# Altium PCB STM32F405.PcbDoc (part 1 of 3) (continued)
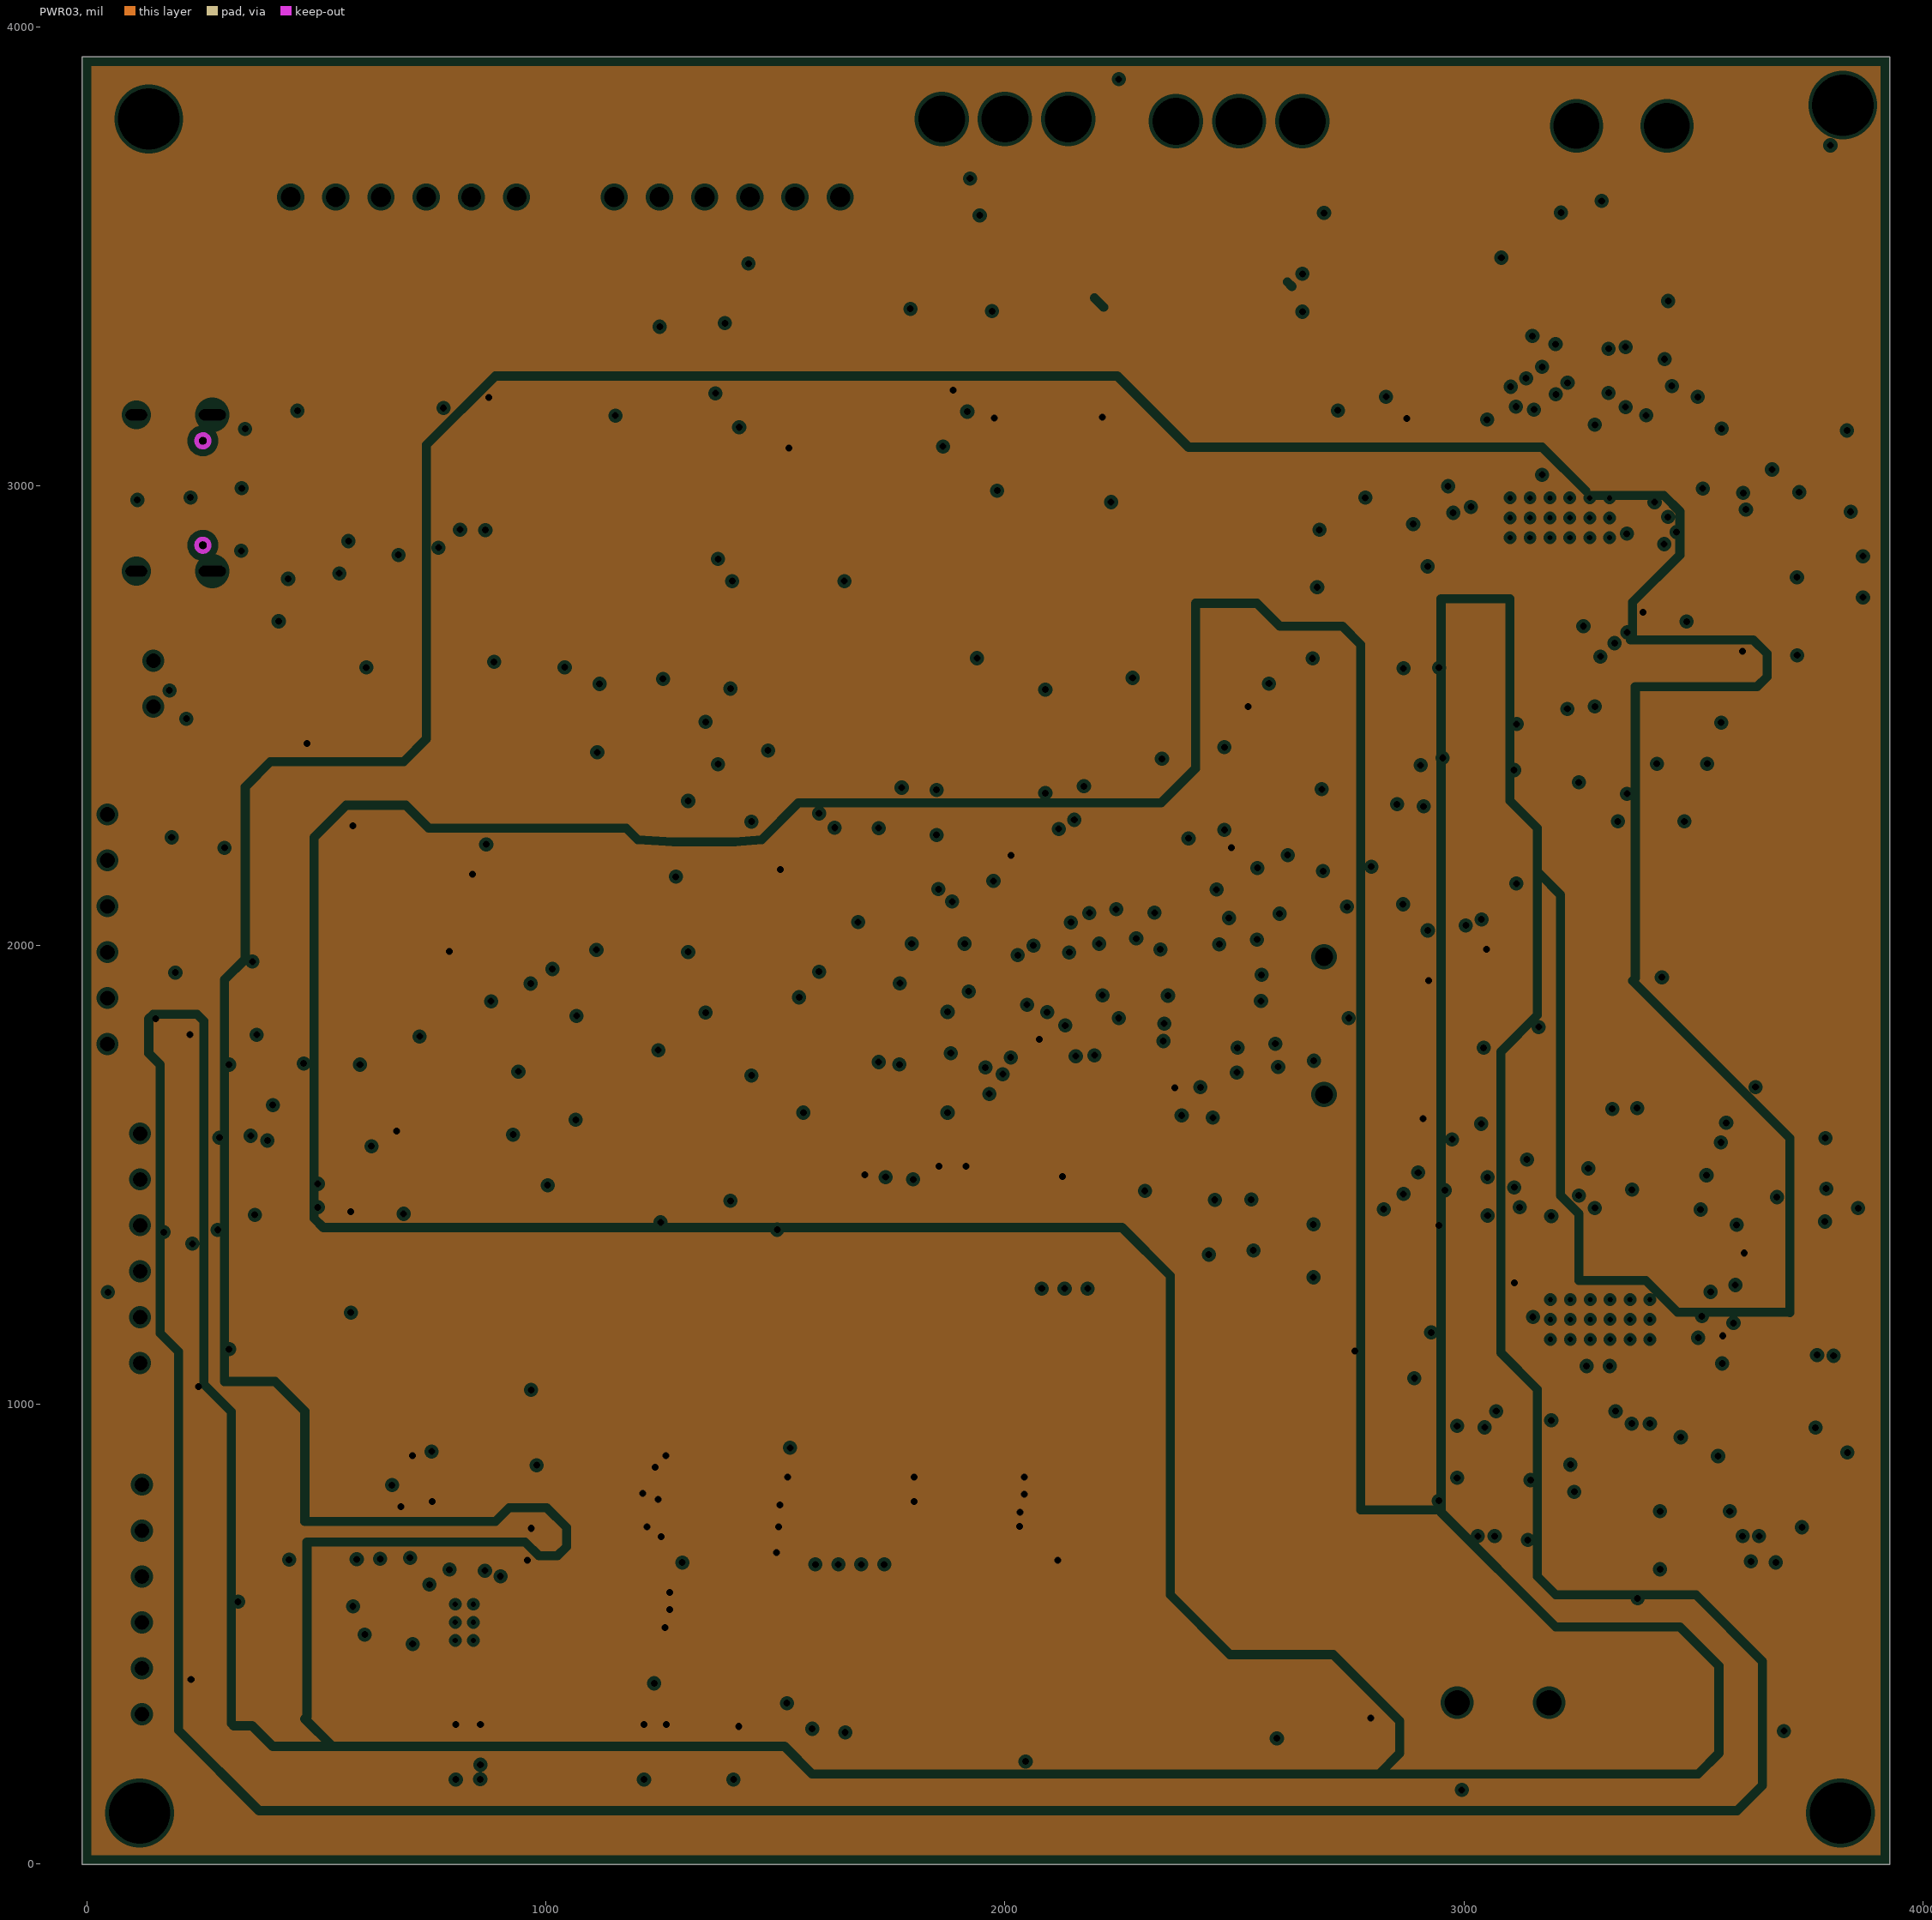
[diagram p3: PWR03, clearances drawn from the general rule]
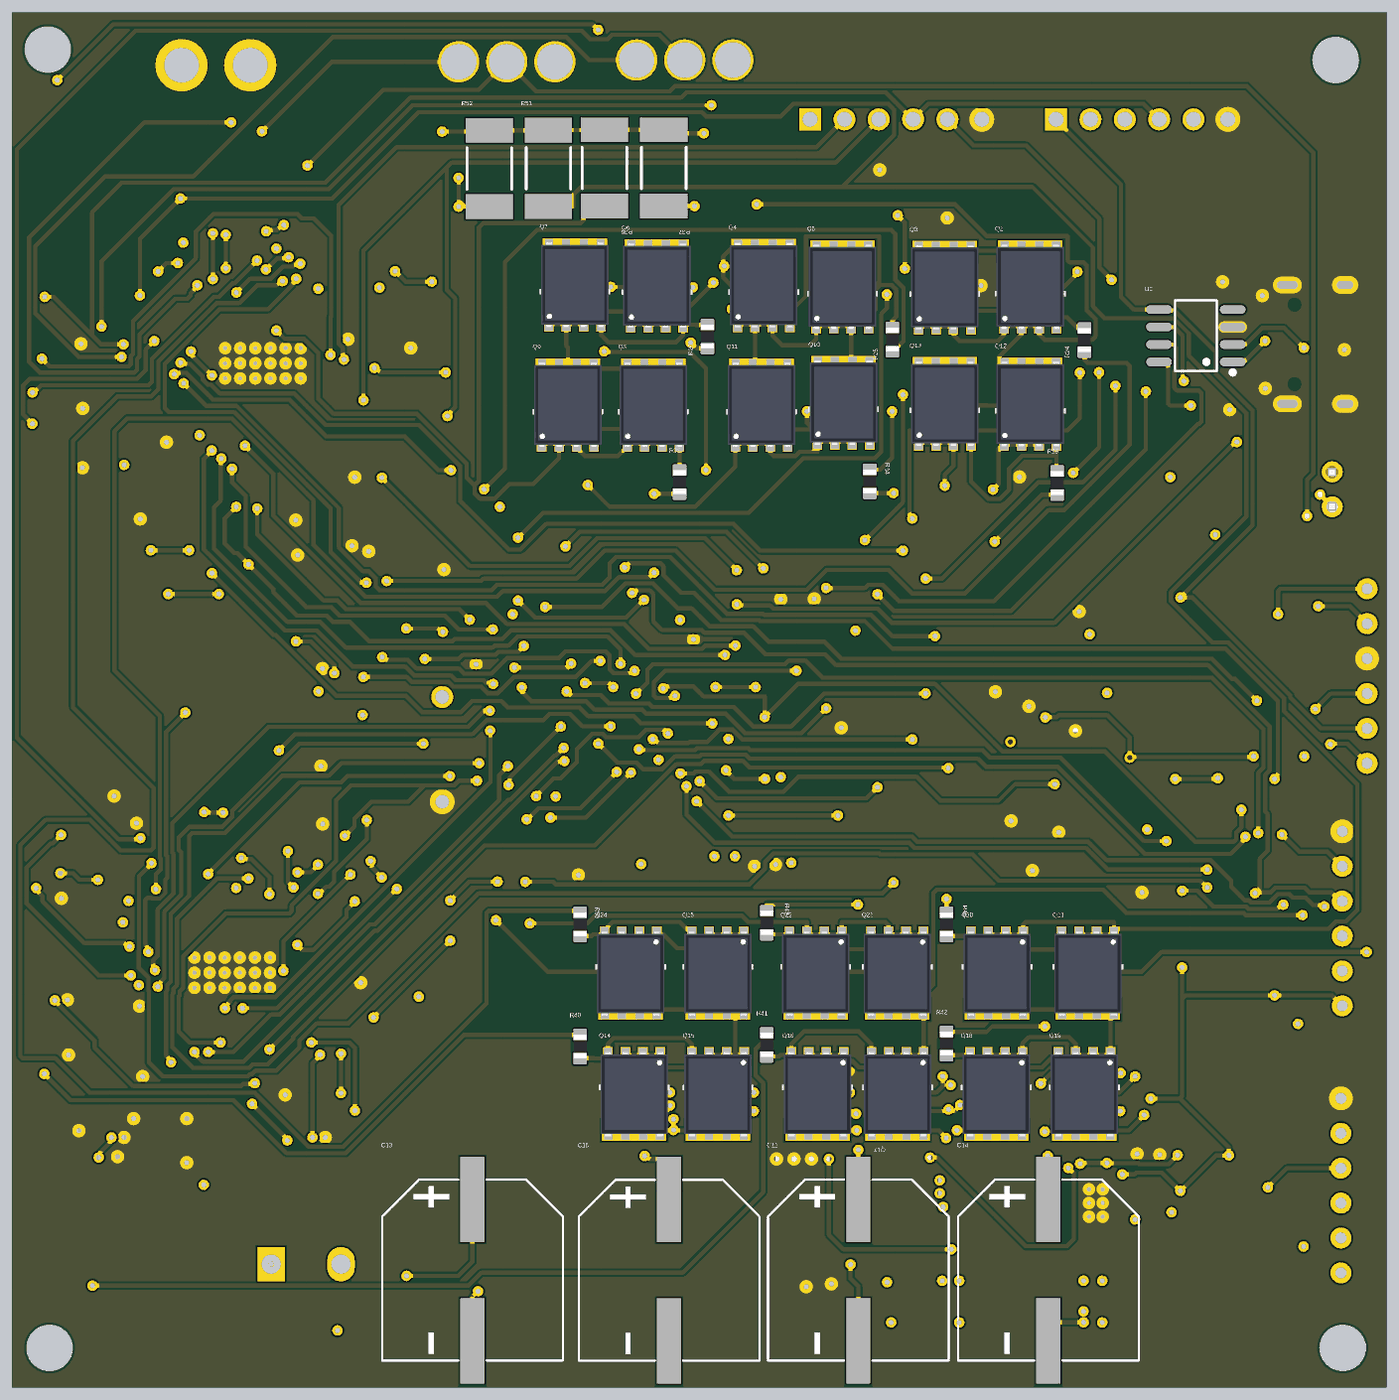
[diagram p6: 3D render of the assembled board from below, using the file's embedded part models]

## Layer stack, top to bottom
Top Solder: solder mask 0.4, Solder Resist, Dk 3.5
Top Layer: signal copper 1.4
Dielectric 2: prepreg 2.8, PP-006, Dk 4.1
GND02: plane copper 5.512, net (Multiple Nets)
Dielectric 1: dielectric 12.6, FR-4, Dk 4.8
PWR03: plane copper 5.512, net (Multiple Nets)
Dielectric 3: prepreg 2.8, PP-006, Dk 4.1
Bottom Layer: signal copper 1.4
Bottom Solder: solder mask 0.4, Solder Resist, Dk 3.5

## Board outline
-10,-2.03 -10,3934.97 3927.01,3934.97 3927.01,-2.03

## Design rules (kind name [scope] priority, off if disabled: settings)
Clearance [All] p1: gap=6 ignorepadtopadclearanceinfootprint=FALSE
HoleSize [All] p1: absolutevalues=TRUE maxlimit=200 minlimit=1 maxpercent=80.000 minpercent=20.000
HoleToHoleClearance [All] p1: gap=0 allowstackedmicrovias=TRUE
MinimumSolderMaskSliver [All] p1: minsoldermaskwidth=4
PlaneClearance [All] p1: clearance=8
PlaneConnect [All] p1: planeconnectstyle=Direct reliefexpansion=20 reliefentries=4 reliefconductorwidth=10 reliefairgap=10
PolygonConnect [All] p1: connectstyle=Direct reliefconductorwidth=10 reliefentries=4 polygonreliefangle="90 Angle" airgapwidth=10
RoutingVias [All] p1: holewidth=15 width=30 viastyle="Through Hole" minholewidth=15 minwidth=30 maxholewidth=15 maxwidth=30
SilkToSilkClearance [All] p1 off: silktosilkclearance=1
SilkToSolderMaskClearance [All] p1: minsilkscreentomaskgap=1 clearancetoexposedcopper=FALSE
SolderMaskExpansion [All] p1: expansion=4 istentingtop=FALSE
Width Power [InNetClass('DCBUS')] p1: maxlimit=200 minlimit=10 preferedwidth=12
Width VCC [InNetClass('VCC')] p2: maxlimit=50 minlimit=10 preferedwidth=12
Width [All] p3: maxlimit=50 minlimit=10 preferedwidth=12
23 further rules are at their usual default settings.

## Classes and differential pairs
component class U_DRV8301_Power: C25 C26 C27 C28 C29 C30 C31 C32 C33 C34 C35 C36 C37 C38 C39 C40 C41 C42 C43 C44 C45 C46 C47 D2 J1 L1 Q2 Q3 Q4 Q5 Q6 Q7 Q8 Q9 Q10 Q11 Q12 Q13 R19 R20 R21 R22 R23 R24 R25 R26 R27 R28 R29 R30 R31 R32 R33 R34 R35 R36 R37 TP3 TP4 U6
component class U_DRV8301_NoPower: C48 C49 C50 C51 C52 C53 C54 C55 C56 C57 C58 C59 C60 C61 C62 C63 C64 C65 P4 Q14 Q15 Q16 Q17 Q18 Q19 Q20 Q21 Q22 Q23 Q24 Q25 R38 R39 R40 R41 R42 R43 R44 R45 R46 R47 R48 R49 R50 R51 R52 TP5 TP6 U7
component class U_AuxHalf: C66 C67 C68 D3 Q26 Q27 Q28 Q29 R53 R54 R55 R56 U8 U9
component class STM32F405: C1 C2 C3 C4 C5 C6 C7 C8 C9 C10 C11 C12 C13 C14 C15 C16 C17 C18 C19 C20 C21 C22 C23 C24 CN1 CN2 CN3 CN4 D1 FPC1 H1 H2 H3 H4 P1 P2 P3 Q1 R1 R2 R3 R4 R5 R6 R7 R8 R9 R10 R11 R12 R13 R14 R15 R16 R17 R18 SW1 SW2 TP1 TP2 U1 U2 U3 U4 U5 USB1 XT1

## Components (designator, comment, footprint, x,y, rotation, side; value= is the part's Value field where it differs from the comment)
C1 "0.1uF" CAPC1608X09L 460,2855 r0 top
C2 "10pF" CAPC1608X09L 1744.41,2110 r180 top
C3 "10pF" CAPC1608X09L 1742.6,2039.44 r180 top
C4 "2.2µF" CAPC1608X09L 2545.59,2050 r180 top
C5 "2.2µF" CAPC1608X09L 2325,1550 r90 top
C6 "0.1uF" CAPC1608X09L 1745,1955 r0 top
C7 "0.1uF" CAPC1608X09L 1720,1555 r180 top
C8 "0.1uF" CAPC1608X09L 2075,1560 r0 top
C9 "0.1uF" CAPC1608X09L 1940.59,1555 r180 top
C10 "0.1uF" CAPC1608X09L 1830.59,1555 r0 top
C11 "0.1uF" CAPC1608X09L 1744.41,1825 r0 top
C12 "220uF" CAP-SMD_BD12.5-L13.0-W13.0-FD 1502.62,332.9 r270 bottom
C13 "220uF" CAP-SMD_BD12.5-L13.0-W13.0-FD 2608.33,332.9 r270 bottom
C14 "220uF" CAP-SMD_BD12.5-L13.0-W13.0-FD 958.33,332.9 r270 bottom
C15 "220uF" CAP-SMD_BD12.5-L13.0-W13.0-FD 2045,332.56 r270 bottom
C16 "4.7uF" C1210 930.58,242.66 r270 top
C17 "4.7uF" C1210 730.58,242.66 r90 top
C18 "4.7uF" C1210 1140.58,242.66 r90 top
C19 "4.7uF" C1210 1335.58,242.66 r90 top
C20 "2.2µF" CAPC1608X09L 1615,259.41 r270 top
C21 "2.2µF" CAPC1608X09L 1042.55,2026.59 r180 top
C22 "GRM21BR61H475KE51L" CAPC2012X09N 905,1490 r180 top value=4.7uF
C23 "GRM21BR61H475KE51L" CAPC2012X09N 705,1517.5 r0 top value=4.7uF
C24 "GRM21BR61H475KE51L" CAPC2012X09N 1035,1682.5 r180 top value=4.7uF
C25 "2.2µF" CAPC1608X09L 2969.02,1216.17 r90 top
C26 "270pF" CAPC1608X09L 3057.12,770 r180 top
C27 "82pF" CAPC1608X09L 3057.13,690 r180 top
C28 "4.7uF" C1210 2971.53,1695 r180 top
C29 "4.7uF" C1210 2966.79,1850 r180 top
C30 "0.1uF" CAPC1608X09L 3076.53,1540 r180 top
C31 "68uF" CAPCP6032X28N 3541.53,1780 r0 top
C32 "0.022µF" CAPC1608X09L 3291.53,1535 r180 top
C33 "0.022µF" CAPC1608X09L 3471.53,1530 r180 top
C34 "2.2µF" CAPC1608X09L 3600.59,647.28 r180 top
C35 "2.2µF" CAPC1608X09L 3565,705 r180 top
C36 "0.022µF" CAPC1608X09L 3401.53,895 r0 top
C37 "0.022µF" CAPC1608X09L 3580.92,1532.79 r180 top
C38 "2200pF" CAPC1608X09L 3691.53,1495 r180 top
C39 "2.2µF" CAPC1608X09L 3569.25,840 r0 top
C40 "2.2µF" CAPC1608X09L 3569.25,790 r0 top
C41 "2200pF" CAPC1608X09L 3690.94,1415 r180 top
C42 "4.7uF" C1210 3726.27,1030 r180 top
C43 "2.2µF" CAPC1608X09L 3700.94,920 r180 top
C44 "4.7uF" C1210 3721.27,1180 r180 top
C45 "2200pF" CAPC1608X09L 3696.53,745 r180 top
C46 "2200pF" CAPC1608X09L 3696.53,795 r180 top
C47 "4.7uF" C1210 3726.27,1325 r180 top
C48 "2.2µF" CAPC1608X09L 2830.59,2940.59 r90 top
C49 "4.7uF" C1210 3675.85,3240 r0 top
C50 "0.022µF" CAPC1608X09L 2940.59,3365 r180 top
C51 "0.022µF" CAPC1608X09L 3055.59,3365 r180 top
C52 "2.2µF" CAPC1608X09L 2979.06,2445 r0 top
C53 "2.2µF" CAPC1608X09L 2979.06,2365 r0 top
C54 "0.022µF" CAPC1608X09L 3150.59,2565 r0 top
C55 "0.022µF" CAPC1608X09L 3185.59,3365 r180 top
C56 "2200pF" CAPC1608X09L 3315.59,3365 r180 top
C57 "2.2µF" CAPC1608X09L 3156.18,2445 r180 top
C58 "2.2µF" CAPC1608X09L 3150.59,2345 r180 top
C59 "2200pF" CAPC1608X09L 3460.59,3365 r0 top
C60 "4.7uF" C1210 3665.33,2875 r180 top
C61 "2.2µF" CAPC1608X09L 3573.11,2563.11 r180 top
C62 "4.7uF" C1210 3670.33,3060 r180 top
C63 "2200pF" CAPC1608X09L 3435,2570 r180 top
C64 "2200pF" CAPC1608X09L 3445.59,2440 r180 top
C65 "4.7uF" C1210 3665.85,2705 r180 top
C66 "2.2µF" CAPC1608X09L 613.5,700.25 r180 top
C67 "0.1uF" CAPC1608X09L 1087.2,615.25 r90 top
C68 "2.2µF" CAPC1608X09L 642.2,540.25 r90 top
CN1 "Header 6" XH254-6 116.12,1340 r90 top
CN2 "Header 6" XH254-6 120,575 r90 top
CN3 "X8821WR-06S-N0SN" CONN-TH_6P-P2.50_X8821WR-06S-N2SN 690,3630 r180 top
CN4 "X8821WR-06S-N0SN" CONN-TH_6P-P2.50_X8821WR-06S-N2SN 1395,3630 r180 top
D1 "绿灯 0603" 0603_LED_S1 790,2104.62 r0 top
D2 "MBR140SFT1G" DIOM2717X10N 3477.87,1610 r0 top
D3 "MBR140SFT1G" DIOM2717X10N 752.2,840.25 r180 top
FPC1 "AFC01-S08FCA-00" FPC-SMD_P0.50-8P_FGS-XJ-H2.0 1245.96,3197.07 r90 top
H1 "M3 Hole" "M3 Hole" 115,110 r0 top
H2 "M3 Hole" "M3 Hole" 3820,110 r0 top
H3 "M3 Hole" "M3 Hole" 3825,3830 r0 top
H4 "M3 Hole" "M3 Hole" 135,3800 r0 top
J1 "M3—DCBUS" CONN-TH_MR30-M 2000,3800 r180 top
L1 "22uH" INDC6060X28N 3211.53,1785 r90 top
P1 "Header 6" SIP-6 45,2035 r90 top
P2 "Header 2" XH254-2 145,2570 r90 top
P3 "Header 2" CONN-TH_XT30U-M 3343.42,3785 r0 top
P4 "Header 3" CONN-TH_MR30-M 2509.99,3795 r0 top
Q1 "8550_SMT" SOT-23(SOT-23-3) 1636.03,3276.63 r180 top
Q2 "NTMFS5C628NLT" SO8FL#1 1010,3145.36 r180 bottom
Q3 "NTMFS5C628NLT" SO8FL#1 1255,3143.82 r180 bottom
Q4 "NTMFS5C628NLT" SO8FL#1 1773.78,3149.73 r180 bottom
Q5 "NTMFS5C628NLT" SO8FL#1 1548.33,3145.36 r180 bottom
Q6 "NTMFS5C628NLT" SO8FL#1 2079.72,3148.82 r180 bottom
Q7 "NTMFS5C628NLT" SO8FL#1 2314.72,3151.26 r180 bottom
Q8 "NTMFS5C628NLT" SO8FL#1 2090,2807.28 r180 bottom
Q9 "NTMFS5C628NLT" SO8FL#1 2335,2807.28 r180 bottom
Q10 "NTMFS5C628NLT" SO8FL#1 1545,2813.82 r180 bottom
Q11 "NTMFS5C628NLT" SO8FL#1 1780,2807.28 r180 bottom
Q12 "NTMFS5C628NLT" SO8FL#1 1010,2809.97 r180 bottom
Q13 "NTMFS5C628NLT" SO8FL#1 1255,2810.83 r180 bottom
Q14 "NTMFS5C628NLT" SO8FL#1 2145,841.69 r0 bottom
Q15 "NTMFS5C628NLT" SO8FL#1 1905,841.69 r0 bottom
Q16 "NTMFS5C628NLT" SO8FL#1 1619.72,841.69 r0 bottom
Q17 "NTMFS5C628NLT" SO8FL#1 1390.28,841.69 r0 bottom
Q18 "NTMFS5C628NLT" SO8FL#1 1107.66,841.69 r0 bottom
Q19 "NTMFS5C628NLT" SO8FL#1 855,841.69 r0 bottom
Q20 "NTMFS5C628NLT" SO8FL#1 1105.28,1187.72 r0 bottom
Q21 "NTMFS5C628NLT" SO8FL#1 845,1187.72 r0 bottom
Q22 "NTMFS5C628NLT" SO8FL#1 1625,1187.72 r0 bottom
Q23 "NTMFS5C628NLT" SO8FL#1 1391.22,1187.72 r0 bottom
Q24 "NTMFS5C628NLT" SO8FL#1 2155,1187.72 r0 bottom
Q25 "NTMFS5C628NLT" SO8FL#1 1905.28,1187.72 r0 bottom
Q26 "NTMFS5C628NLT" SO8FL#2 1372.2,590.25 r180 top
Q27 "NTMFS5C628NLT" SO8FL#2 1367.48,917.06 r180 top
Q28 "NTMFS5C628NLT" SO8FL#2 1662.2,587.06 r180 top
Q29 "NTMFS5C628NLT" SO8FL#2 1662.48,917.06 r180 top
R1 "22R" RESC1608X55N 226.53,1980 r0 top
R2 "1k" RESC1608X55N 1481.03,3271.63 r270 top
R3 "22R" RESC1608X55N 556.54,3035 r0 top
R4 "120R" RESC1608X55N 340,2575 r270 top
R5 "22R" RESC1608X55N 220,2180 r0 top
R6 "22R" RESC1608X55N 570,2960 r0 top
R7 "10K" RESC1608X55N 1481.03,3451.63 r270 top
R8 "22R" RESC1608X55N 1681.03,3126.63 r90 top
R9 "3.3k" RESC1608X55N 396.12,370 r270 top
R10 "3.3k" RESC1608X55N 396.12,535 r270 top
R11 "3.3k" RESC1608X55N 401.12,695 r270 top
R12 "3.3k" RESC1608X55N 366.12,1135 r270 top
R13 "3.3k" RESC1608X55N 366.12,1316.54 r270 top
R14 "3.3k" RESC1608X55N 366.12,1485 r270 top
R15 "47K" RESC1608X55N 2550,2130 r180 top
R16 "10K" RESC1608X55N 1460,265 r90 top
R17 "1k" RESC1608X55N 1540,260 r270 top
R18 "1k" RESC1608X55N 790,2224.63 r180 top
R19 "NCP15XH103F03RC" RESC1005X40N 2969.02,1326.17 r90 top value=10k
R20 "3.3k" RESC1608X55N 2969.01,1089.63 r270 top
R21 "220k" RESC1608X55N 3065,840 r0 top
R22 "18k" 0603_R 3215,675 r0 top
R23 "47K" RESC1608X55N 3206.54,770 r0 top
R24 "2.2R" RESC1608X55N 855,2997.56 r270 bottom
R25 "2.2R" RESC1608X55N 1405,2999.1 r270 bottom
R26 "2.2R" RESC1608X55N 1935,3007.56 r270 bottom
R27 "3.3k" 0603_R 3396.53,680 r180 top
R28 "18k" 0603_R 3396.53,775 r0 top
R29 "120R" RESC1608X55N 3706.53,1580 r180 top
R30 "120R" RESC1608X55N 3825,1470 r180 top
R31 "22R" RESC1608X55N 3733.46,660 r0 top
R32 "22R" RESC1608X55N 3696.53,855 r0 top
R33 "2.2R" RESC1608X55N 2015,2590.63 r270 bottom
R34 "2.2R" RESC1608X55N 1470,2592.56 r270 bottom
R35 "2.2R" RESC1608X55N 932.78,2588.13 r270 bottom
R36 "CSR2512C0R0005F" RESC6432X09N 2230,3490.75 r270 bottom value=500uOhm
R37 "CSR2512C0R0005F" RESC6432X09N 2060,3490.75 r270 bottom value=500uOhm
R38 "NCP15XH103F03RC" RESC1005X40N 2830.59,3069.68 r90 top value=10k
R39 "3.3k" RESC1608X55N 2830.59,2776.54 r270 top
R40 "2.2R" RESC1608X55N 2300,973.35 r90 bottom
R41 "2.2R" RESC1608X55N 1765,978.35 r90 bottom
R42 "2.2R" RESC1608X55N 1250,981.81 r90 bottom
R43 "18k" RESC1608X55N 2979.05,2565 r180 top
R44 "120R" RESC1608X55N 3333.2,3449.99 r180 top
R45 "120R" RESC1608X55N 3478.2,3444.99 r0 top
R46 "22R" RESC1608X55N 3315.59,2570 r180 top
R47 "22R" RESC1608X55N 3320.59,2450 r180 top
R48 "2.2R" RESC1608X55N 1250,1323.35 r90 bottom
R49 "2.2R" RESC1608X55N 1765,1328.35 r90 bottom
R50 "2.2R" RESC1608X55N 2300,1323.35 r90 bottom
R51 "CSR2512C0R0005F" RESC6432X09N 2390.56,3489.87 r270 bottom value=500uOhm
R52 "CSR2512C0R0005F" RESC6432X09N 2560,3489.25 r270 bottom value=500uOhm
R53 "NCP15XH103F03RC" RESC1005X40N 893.5,700.25 r0 top value=10k
R54 "2.2R" RESC1608X55N 1017.2,575.25 r270 top
R55 "3.3k" RESC1608X55N 753.5,700.25 r0 top
R56 "2.2R" RESC1608X55N 1142.2,475.25 r180 top
SW1 "DSWB01LHGET" SW-TH_DSWB01LHGET 2695,1825 r0 top
SW2 "TS-1101-C-W" SW-SMD_L6.0-W3.3-LS8.0 2690,2400 r270 top
TP1 "TESTPOINT" TP-R30 1020,1587.5 r180 top
TP2 "TESTPOINT" TP-R30 1020,1512.5 r180 top
TP3 "TESTPOINT" TP-R30 3659.02,591.17 r270 top
TP4 "TESTPOINT" TP-R30 3741.53,596.17 r270 top
TP5 "TESTPOINT" TP-R30 3545.59,2350 r90 top
TP6 "TESTPOINT" TP-R30 3545.59,2430 r90 top
U1 "SN65HVD232D" SOIC127P600X175-8N 550,2580 r180 top
U2 "CH340N" "ch340N  SOP-8_L4.9-W3.9-P1.27-LS6.0-BL" 535.61,3010 r90 bottom
U3 "STM32F405RGT6" STM-LQFP64_N 2192.94,1922.06 r0 top
U4 "3.3V" SOT23-5 1030,1857.5 r270 top
U5 "3.3V" SOT223 790,1802.5 r270 top
U6 "DRV8301" TSSOP50P810X120_HS-57N 3296.53,1185 r90 top
U7 "DRV8301" TSSOP50P810X120_HS-57N 3208.74,2931.17 r90 top
U8 "LM5109BSD/NOPB" SON80P400X80_HS-9N 822.2,525.25 r0 top
U9 "3Ω" TO-220-2L_L10.2-W4.6-P5.08-L 3085,350 r180 top
USB1 "TYPE-C 16PIN 2MD(073)" USB-C-SMD_TYPE-C-16PIN-2MD-073 295.98,3113.11 r270 top
XT1 "8 MHz" DFN220P320X110-4N 1595,2025 r90 top

## Footprints (in the part's own frame and the unit in brackets; to place one, negate y for a bottom-side part, rotate by r counter-clockwise, add the part's x,y. Pads: shape width x height; smd on the part's side, far side on the other; paste and mask are expansions set on the pad)
0603_LED_S1 [mm]
  rect 0.93x0.98 smd: A(0.77,0) K(-0.77,0)
  silkscreen extent -1.98,-0.79 1.54,0.79, body extent -0.8,-0.4 0.8,0.4, height 0.6
0603_R [mm]
  rect 0.93x0.98 smd: 1(-0.77,0) 2(0.77,0)
  silkscreen extent -1.54,-0.79 1.53,0.79, body extent -0.85,-0.4 0.85,0.4, height 0.56
C1210 [mm]
  rect 1.635x2.7 smd paste-100 mask+0.051: 1(-1.517,0) 2(1.517,0)
  silkscreen extent -2.56,-1.58 2.56,1.58
CAP-SMD_BD12.5-L13.0-W13.0-FD [mm] "220uF 63V 贴片电容"
  rect 6.2x1.75 smd: 1(-5.145,0) 2(5.145,0)
  silkscreen extent -6.58,-6.58 6.58,6.58
CAPC1608X09L [mm] "Chip Capacitor, 2-Leads, Body 1.60x0.80mm, IPC High Density"
  rect 0.7x0.85 smd: 1(-0.65,0) 2(0.65,0)
  body extent -0.85,-0.45 0.85,0.45, height 0.9
CAPC2012X09N [mm] "Chip Capacitor, 2-Leads, Body 2.00x1.25mm, IPC Medium Density"
  rect 1.25x1.45 smd: 1(-0.85,0) 2(0.85,0)
  body extent -1.08,-0.7 1.07,0.7, height 0.95
CAPCP6032X28N [mm]
  rect 2.25x3.5 smd: 1(-2.375,0) 2(2.375,0)
  silkscreen extent -3.76,-1.65 0.85,2.01, body extent -3.15,-1.75 3.15,1.75, height 2.8
"ch340N  SOP-8_L4.9-W3.9-P1.27-LS6.0-BL" [mm]
  oval 0.63x1.865 smd: 1(-1.905,-2.682) 2(-0.635,-2.682) 3(0.635,-2.682) 4(1.905,-2.682) 5(1.905,2.683) 6(0.635,2.683) 7(-0.635,2.683) 8(-1.905,2.683)
  silkscreen extent -2.82,-2.83 2.58,1.52
CONN-TH_6P-P2.50_X8821WR-06S-N2SN [mm] "90度 弯插 6p"
  rect 1.6x1.6 hole 1.1: 1(-6.25,0)
  round 1.6 hole 1.1: 2(-3.75,0) 3(-1.25,0) 4(1.25,0) 5(3.75,0) 6(6.25,0)
  silkscreen extent -8.75,-7.11 8.75,0
CONN-TH_MR30-M [mm] "MR30航模电机插头"
  round 3 hole 2.6 paste-2539.97 mask+0.05: 1(-3.5,0) 2(0,0) 3(3.5,0)
  silkscreen extent -5.94,-2.45 5.94,2.45
CONN-TH_XT30U-M [mm] "xt30 插头"
  round 3.8 hole 2.54 paste-2539.97 mask+0.05: 1(-2.5,0) 2(2.5,0)
  silkscreen extent -5.1,-2.6 5.11,2.6
DFN220P320X110-4N [mm] "DFN, 4-Leads, Body 5.00x3.20mm, Pitch 2.20mm, IPC Medium Density"
  rect 1.4x1 smd: 1(-1.9,-1.1) 3(1.9,1.1) G(-1.9,1.1) G(1.9,-1.1)
  silkscreen extent -3,-1.7 -2.9,-1.6, body extent -2.55,-1.65 2.55,1.65, height 1.1
DIOM2717X10N [mm] "Molded Diode, 2-Leads, Body 2.70x1.65mm, IPC Medium Density"
  rect 1.7x1 smd: A(1.05,0) K(-1.05,0)
  silkscreen extent -1.9,-0.95 1.45,0.95, body extent -1.45,-0.9 1.45,0.9, height 1
FPC-SMD_P0.50-8P_FGS-XJ-H2.0 [mm]
  rect 0.3x1.3 smd paste+0 mask+0.05: 1(-1.75,-1.34) 2(-1.252,-1.339) 3(-0.75,-1.34) 4(-0.25,-1.34) 5(0.25,-1.34) 6(0.75,-1.34) 7(1.25,-1.34) 8(1.75,-1.34)
  rect 2x1.6 smd: 9(3.45,1.34) 10(-3.45,1.34)
  silkscreen extent -8.85,-18.48 9.15,13.52
INDC6060X28N [mm]
  rect 1.98x6.22 smd: 1(-2.46,0) 2(2.46,0)
  silkscreen extent -1.1,-3.01 1.1,3.01, body extent -3.1,-3.1 3.1,3.1, height 2.8
"M3 Hole" [mm] "M3 Hole with no copper"
  round 3 hole 3.4 unplated: 1(0,0)
RESC1005X40N [mm]
  round 0.2 on Mech15: 0(0,0)
  rrect20% 0.6x0.6 smd: 1(-0.5,0) 2(0.5,0)
  Top Layer pour cut-out: -0.325,0.375 -0.2,0.5 0.2,0.5 0.325,0.375 0.325,-0.375 0.2,-0.5 -0.2,-0.5 -0.325,-0.375
  silkscreen extent -1.05,-0.55 1.05,0.55, body extent -0.52,-0.27 0.53,0.28, height 0.4
RESC1608X55N [mm]
  round 0.254 on Mech15: 0(0,0)
  rrect25% 0.9x1 smd: 1(-0.85,0) 2(0.85,0)
  Top Layer pour cut-out: -0.6,0.5 -0.4,0.7 0.4,0.7 0.6,0.5 0.6,-0.5 0.4,-0.7 -0.4,-0.7 -0.6,-0.5
  silkscreen extent -0.15,-0.41 0.15,0.41, body extent -0.87,-0.47 0.88,0.48, height 0.54
RESC6432X09N [mm] "Chip Resistor, 2-Leads, Body 6.40x3.20mm, IPC Medium Density"
  rect 1.8x3.45 smd: 1(-2.775,0) 2(2.775,0)
  silkscreen extent -1.5,-1.63 1.5,1.62, body extent -3.32,-1.73 3.32,1.73, height 0.9
SIP-6 [mil]
  round 60 hole 32: 1(-250,0) 2(-150,0) 3(-50,0) 4(50,0) 5(150,0) 6(250,0)
  silkscreen extent -300,-65 300,50
SO8FL#1 [mm] "DFN5 5x6, 1.27P  (SO-8FL)  CASE 488AA"
  rect 0.9x0.6 on Bottom Paste: 7(0,-0.55) 7(0,0.3) 7(0,1.15) 7(0,2) 9(-1.15,-0.55) 9(-1.15,0.3) 9(-1.15,1.15) 9(-1.15,2) 10(1.15,-0.55) 10(1.15,0.3) 10(1.15,1.15) 10(1.15,2)
  rect 0.6x0.9 on Bottom Paste: 11(-1.875,3) 11(-0.65,3) 11(0.65,3) 11(1.875,3)
  rect 4.2x2.2 smd paste-10 mask+0.075: D(0,0) D(0,1.35)
  rect 4.7x1.5 smd paste-10 mask+0.075: D(0,2.75)
  rect 0.7x1.15 smd paste-0.05 mask+0.075: G(1.905,-2.725) S(-1.905,-2.725) S(-0.635,-2.725) S(0.635,-2.725)
  body extent -2.57,-2.95 2.58,3.2, height 1.13
SO8FL#2 [mm] "DFN5 5x6, 1.27P  (SO-8FL)  CASE 488AA"
  rect 0.9x0.6 on Top Paste: 7(0,2) 7(0,1.15) 7(0,0.3) 7(0,-0.55) 9(-1.15,1.15) 9(-1.15,2) 9(-1.15,-0.55) 9(-1.15,0.3) 10(1.15,1.15) 10(1.15,2) 10(1.15,-0.55) 10(1.15,0.3)